# Altium PCB HedefProjem.PcbDoc (part 2 of 2)
Units mil, origin at the board's own origin, x right, y up, seen from the top; angles counter-clockwise.
Board outline 4012 x 2854.63 mil, 4 copper layers (Top Layer, GROUND, POWER, Bottom Layer), stack 53.912 mil thick; 126 components, 87 nets, 433 pads, 63 vias.
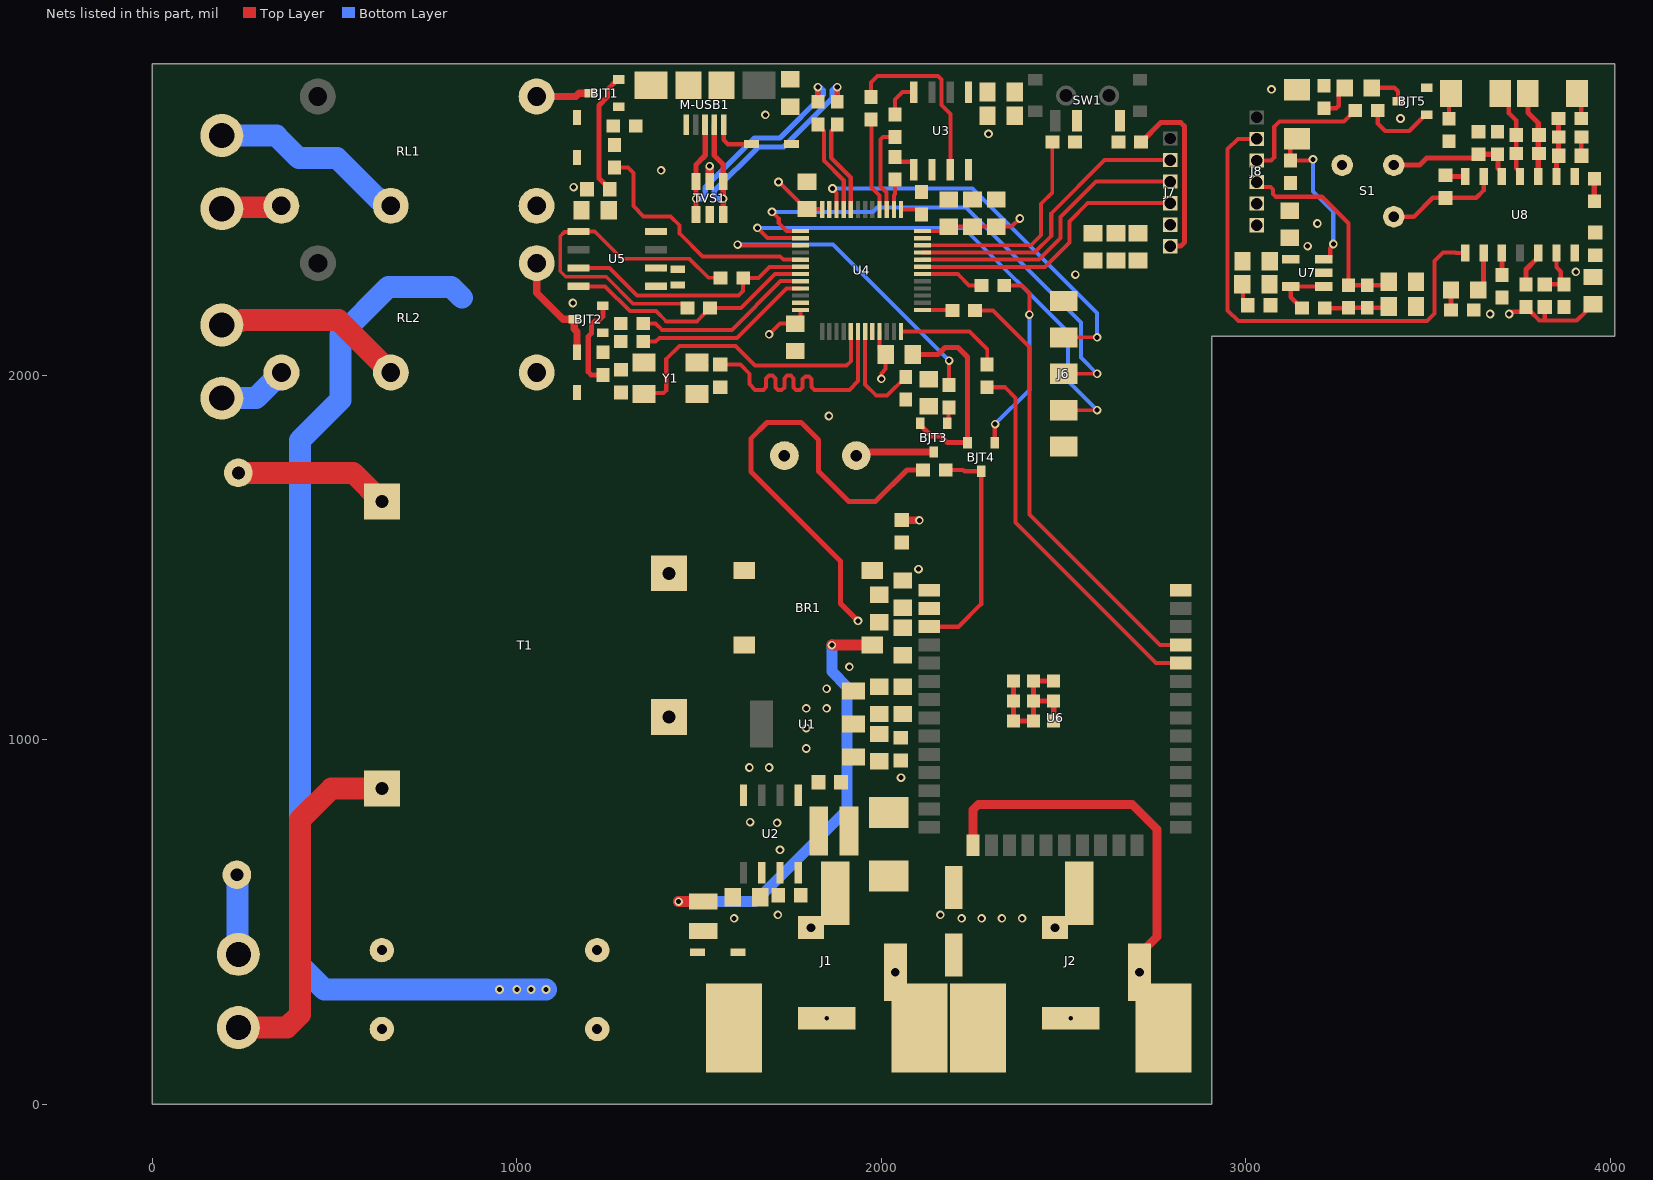
[diagram p4: the nets of this part, all layers, seen from the top]

## Via types
v1: diameter 23.62, hole 13.78, Top Layer to Bottom Layer, 62 vias
v2: diameter 23.62/23.62 (per signal layer), hole 13.78, Top Layer to Bottom Layer, 1 vias

## Nets (pads, with @x,y where several pads share a name; then routed paths per layer and width w, separated by ;. In a path a pad name is that pad's centre, name@x,y a point inside that pad or via, vN(x,y) a via of type N, cw(c..) or ccw(c..) an arc to the next point about the centre after c; other vN are vias at no path point)
3.3VDC: C5.2 C7.2 C12.2 C13.2 C14.2 C15.2 C16.2 C17.2 C18.2 C22.2 C23.2 C24.2 C25.2 C27.2 C28.2 C29.2 C30.2 C31.2 J6.1 J7.6 R8.2 R9.2 R21.1 R22.2 TVS1.5 U1.3 U3.5 U4.9 U4.24 U4.36 U4.48 U5.5 U6.2 | length 3537.1
  Top Layer w10: U5.5@1169.29,2393.9 1168.39,2393 1130.82,2393 1118.94,2381.11 1118.94,2285.08 1133.96,2270.06 1245.25,2270.06 1318.94,2196.36 1456.2,2196.36 R9.2@1467.99,2184.57 ; U5.5@1169.29,2394 1214,2394 1288.94,2319.06 1473.94,2319.06 1526,2267 R8.2@1559,2267
  Top Layer w11: v1(1692,2112) 1721.4,2141.4 C25.2@1764,2141.4 1778.54,2155.94 U4.48@1778.54,2179.04 ; v1(1718,2530) 1718.85,2530 1792.85,2456 C27.2@1796,2456 1837.19,2456 1837.59,2455.59 U4.36@1837.59,2454.63 ; U4.9@1995.07,2119.98 1995.07,2073.53 C28.2@2011.6,2057 2011.6,2016.41 2000,2004.81 v1(2000,1990) ; U4.24@2113.18,2395.57 2173.1,2395.57 C23.2@2184.82,2407.3 C22.2@2249.81,2407.3 2357.3,2407.3 v1(2380,2430)
  Top Layer w14: v1(1936,1326) 1888,1374 1888,1490 1642,1736 1642,1826 1686,1870 1780,1870 1828,1822 1828,1736 1910,1654 1984,1654 2070.16,1740.16 R21.1@2114.67,1740.16 ; R22.2@2712,2640 2713.28,2640 2766,2692.72 2821.28,2692.72 2832,2682 2832,2365 2821,2354 J7.6@2792,2354
  Top Layer w23: TVS1.5@1529,2519 TVS1.5@1529,2531 v1(1529,2573.45)
  other v1: 1794,976 1794,1032 1794,1086 1850,1086 1850,1140 2532,2276 1156,2516 2294,2662
3.3VDC_S: C34.2 C41.2 C42.2 C44.2 C45.2 C46.2 J8.1 R33.2 R34.2 R37.2 RT1.1 U7.4 U8.14
  other v1: 3670,2168 3904.94,2283.62 3169.39,2353.94 3070,2784
5VDC: BZ1.1 C2.2 C3.2 C9.1 C11.2 C26.2 D4.1 J2.1 L1.2 U1.1 U2.4 | length 48.4
  Top Layer w20: C26.2@2056,1603 2056.5,1602.5 2103.5,1602.5 v1(2104,1602)
  other v1: 2220,510 2275.33,510 2330.67,510 2386,510 2162,520 1722,698 1714,772 1640,774 2054,896 1638,924 1692,924 1682,2714
12VDC: C1.2 C4.2 D1.1 D2.1 D7.1 J1.1 RL1.4 RL2.4 U2.7 | length 2877.4
  Bottom Layer w60: 849.76,2212.44 820.2,2242 648,2242 516,2110 516,1932 405,1821 405,382.4 472.44,314.96 v1(1080.19,314.96)
  other v1: 952.76,314.96 1000,314.96 1039.37,314.96
AC_LINE_1: J3.2 R3.1 | length 226.1
  Top Layer w60: R3.1@232.28,629.92 R3.1@234.25,627.95 ; J3.2@234.25,427.17 J3.2@236.22,425.2
  Bottom Layer w60: R3.1@232.28,629.92 234.25,627.95 234.25,412.99 J3.2@236.22,411.02
AC_LINE_2: J3.1 T1.5 | length 977.8
  Top Layer w60: J3.1@236.22,211.02 369.85,211.02 405,246.17 405,780 491.14,866.14 T1.5@629.92,866.14
BUZZER: R16.1 U4.39 | length 952
  Top Layer w11: v1(1606,2358) 1607.8,2356.2 U4.39@1778.54,2356.2 ; R16.1@2186,1973 v1(2186,2040)
  Bottom Layer w11: v1(1606,2358) 1868,2358 v1(2186,2040)
GND: BJT1.2 BJT2.2 BJT3.2 BJT4.2 BR1.1 C1.1 C2.1 C3.1 C4.1 C5.1 C7.1 C8.2 C9.2 C10.2 C11.1 C12.1 C13.1 C14.1 C15.1 C16.1 C17.1 C18.1 C19.1 C20.1 C21.2 C22.1 C23.1 C24.1 C25.1 C26.1 C27.1 C28.1 C29.1 C30.1 C31.1 D3.2 J1.2 J1.3 J2.2 J2.3 J6.5 J7.5 M-USB1.5 M-USB1.6 M-USB1.7 M-USB1.8 R2.1 R5.1 R6.1 R7.1 TVS1.2 U1.2 U2.6 U3.4 U4.8 U4.23 U4.35 U4.47 U5.4 U6.1 U6.15 U6.38 U6.39 Y1.2 Y1.4 | length 2635
  Top Layer w14: R5.1@1236,2001 1204.2,2001 1196,2009.2 1196,2106.18 1204.47,2114.66 1204.47,2139.86 1212.67,2148.06 1222.74,2148.06 1236.22,2161.54 BJT2.2@1236.22,2190.94 ; C15.1@1255,2510 1255,2510.69 1225.4,2540.29 1225.4,2740 1248.44,2763.04 1248.44,2783.27 1276.28,2811.12 BJT1.2@1280.22,2811.12 ; C28.1@2086.4,2057 2155.42,2057 2174.42,2076 2210,2076 2236.22,2049.78 BJT4.2@2236.22,1814.96 2181.04,1814.96 2162,1834 2136.47,1834 2106.3,1864.17 BJT3.2@2106.3,1868.11 ; U6.39@2362.5,1161.5 U6.39@2362.5,1106.38 U6.39@2362.5,1051.27 U6.39@2417.61,1051.27 U6.39@2417.61,1106.38 ; U6.39@2472.73,1051.27 U6.39@2472.73,1106.38 U6.39@2417.61,1106.38 ; U6.39@2472.73,1161.5 U6.39@2417.61,1161.5 U6.39@2417.61,1106.38
  Top Layer w24: C29.1@2055.91,1232.28 C29.1@2059.06,1232.28 ; U6.15@2251.58,711.22 2251.58,808.24 2265.64,822.3 2688,822.3 2756,754.3 2756,459.63 2727.41,431.04 2727.41,381.94 J2.3@2707.91,362.44
  other v1: 1716,520 1912,1200 2102,1468 1856,1888 1154,2198 1396,2562
  other v2: 1596,510
GND_S: BJT5.2 C34.1 C36.1 C38.1 C39.1 C40.1 C41.1 C42.1 C43.1 C44.1 C45.1 C46.1 J8.2 R24.1 R25.1 R28.1 R32.1 R35.1 R99.1 R99.2 S1.3 U7.2 U8.7 | length 492.5
  Top Layer w12: C45.1@2990,2249.36 2990,2229.32 2992,2227.32 2992,2205 C34.1@3005,2192 ; C36.1@3547.18,2548.57 C36.1@3550.73,2545.03 ; v1(3722,2168) 3725.14,2168 3731.14,2174 3756.28,2174 R35.1@3768,2185.72 ; R35.1@3768,2187 R35.1@3768,2185.72 ; C43.1@3820,2187 3820,2150 ; C42.1@3952,2194.6 3948.85,2194.6 3932.41,2178.16 3932.41,2175.01 3907.4,2150 3820,2150 ; R35.1@3768,2185.72 3779.72,2174 3781,2174 3805,2150 3820,2150
  Top Layer w14: C36.1@3550.73,2545.03 U8.7@3601.91,2545.03
  Top Layer w15: R99.1@3956,2477 R99.2@3956,2539
  other v1: 3196,2416 3424,2704
LED_S: J8.4 R36.1 | length 383.6
  Top Layer w12: J8.4@3035.71,2594.66 J8.4@3030,2588.94 3068.94,2588.94 3077.18,2597.18 3077.18,2681.18 3092,2696 3268.63,2696 3298.36,2725.73 R36.1@3299.64,2725.73
Light_1_GND: J4.1 RL1.3 | length 166.5
  Top Layer w60: J4.1@190.94,2457.09 194.68,2460.83 350.59,2460.83 RL1.3@354.33,2464.57
Light_1_VCC: J4.2 RL1.2 | length 543.1
  Bottom Layer w60: J4.2@190.94,2657.09 340.59,2657.09 402.29,2595.39 507.4,2595.39 619.01,2483.78 624.72,2483.78 643.93,2464.57 RL1.2@654.33,2464.57
Light_2_GND: J5.1 RL2.3 | length 194.9
  Bottom Layer w60: J5.1@192.4,1935.95 190.94,1937.4 284.65,1937.4 RL2.3@354.72,2007.48
Light_2_VCC: J5.2 RL2.2 | length 529.3
  Top Layer w60: J5.2@190.94,2137.4 202.06,2148.52 243.15,2148.52 246.21,2151.57 510.63,2151.57 RL2.2@654.72,2007.48
NetBJT1_1: BJT1.1 R1.1 R2.2
NetBJT1_3: BJT1.3 D1.2 RL1.5 | length 150.9
  Top Layer w20: RL1.5@1054.33,2764.57 1161.58,2764.57 1170.73,2773.72 BJT1.3@1201.48,2773.72
NetBJT2_1: BJT2.1 R4.1 R5.2
NetBJT2_3: BJT2.3 D2.2 RL2.5 | length 308.3
  Top Layer w20: RL2.5@1054.72,2307.48 1054.72,2225.55 1126.73,2153.54 BJT2.3@1157.48,2153.54 1157.48,2126.73 1165.35,2118.86 D2.2@1165.35,2062.99
NetBJT3_1: BJT3.1 R16.2 | length 44.9
  Top Layer w11: BJT3.1@2183.55,1874.55 R16.2@2183.55,1908.55
  Top Layer w12: BJT3.1@2181.1,1868.11 2181.1,1872.1 BJT3.1@2183.55,1874.55 ; R16.2@2183.55,1908.55 R16.2@2186,1911
NetBJT3_3: BJT3.3 BZ1.2 | length 216.7
  Top Layer w20: BZ1.2@1931.1,1779.53 1940.94,1789.37 BJT3.3@2143.7,1789.37
NetBJT4_1: BJT4.1 R20.2 | length 527.7
  Top Layer w11: BJT4.1@2311.02,1814.96 2311.02,1865.02 v1(2312,1866) ; R20.2@2337,2246 2386,2246 2406,2226 v1(2406,2166)
  Bottom Layer w11: v1(2312,1866) 2406,1960 v1(2406,2166)
NetBJT5_1: BJT5.1 R36.2 | length 196.4
  Top Layer w12: R36.2@3361.65,2725.73 3361.65,2690.35 3382,2670 3448.14,2670 3492.07,2713.92 BJT5.1@3496,2713.92
NetBJT5_3: BJT5.3 D6.1 | length 103.7
  Top Layer w12: D6.1@3345.4,2788 3346.13,2788.73 3407.27,2788.73 3417.26,2778.74 BJT5.3@3417.26,2751.32
NetBR1_2: BR1.2 T1.9
NetBR1_3: BR1.3 T1.7
NetBR1_4: BR1.4 F1.1 | length 1213.7
  Top Layer w30: v1(1444,556) 1444.1,556.1 F1.1@1511.81,556.1 ; v1(1864.16,1259.84) BR1.4@1974.41,1259.84
  Bottom Layer w30: v1(1444,556) 1654,556 1906,808 1906,1145 1864.16,1186.84 v1(1864.16,1259.84)
NetC6_1: C6.1 U2.1
NetC6_2: C6.2 D3.1 L1.1 U2.8
NetC8_1: C8.1 C10.1 D7.2 F1.2
NetC32_1: C32.1 C33.1 R23.1 U8.4 | length 250.6
  Top Layer w12: C33.1@3697.32,2772.98 3721.09,2749.22 3721.09,2718.91 3741.48,2698.52 C32.1@3741.48,2658.9 3741.48,2567.27 3751.91,2556.84 U8.4@3751.91,2545.03
NetC32_2: C32.2 C35.1 R23.2 U8.3 | length 239.9
  Top Layer w14: C35.1@3773.17,2772.98 3773.17,2720.58 3801.91,2691.84 U8.3@3801.91,2545.03
NetC33_2: C33.2 R24.2 | length 74.1
  Top Layer w12: R24.2@3557.03,2703.59 3557.03,2741.58 3558.69,2743.24 3562.68,2743.24 C33.2@3562.68,2772.98
NetC35_2: C35.2 R26.1 | length 73.8
  Top Layer w12: C35.2@3907.81,2772.98 3919.72,2761.07 R26.1@3919.72,2704.08
NetC36_2: C36.2 S1.1 U8.6 | length 314.5
  Top Layer w12: S1.1@3405.45,2434.71 3460.65,2434.71 3512.5,2486.56 C36.2@3547.18,2486.56 3631.67,2486.56 3651.91,2506.8 U8.6@3651.91,2545.03
NetC37_1: C37.1 R26.2 R27.1 U8.2 | length 161.5
  Top Layer w14: U8.2@3851.91,2545.03 3851.91,2583.25 3857.71,2589.06 R26.2@3857.71,2704.08
NetC37_2: C37.2 R27.2 U8.1 | length 51.2
  Top Layer w12: C37.2@3920.22,2601.72 R27.2@3920.22,2652.9
NetC38_2: C38.2 R28.2 S1.2 U8.5 | length 362.7
  Top Layer w14: S1.2@3405.45,2576.13 3476.13,2576.13 3496,2596 3628.01,2596 C38.2@3638,2605.99 R28.2@3690,2605.99 ; R28.2@3690,2605.84 3691.19,2604.65 3691.19,2567.55 3701.91,2556.84 U8.5@3701.91,2545.03
NetC39_2: C39.2 R29.2 R30.1 R31.1 | length 177.6
  Top Layer w12: R29.2@3216,2184 3216.12,2183.89 3280.18,2183.89 R31.1@3281.18,2184.89 R30.1@3332.68,2184.89 3388.23,2184.89 C39.2@3391.67,2188.33
NetC43_2: C43.2 R33.1 U8.13 | length 146.9
  Top Layer w12: C43.2@3820,2249 R33.1@3872,2249 3864,2257 3864,2284 3851.91,2296.09 U8.13@3851.91,2335.58
NetD4_2: D4.2 M-USB1.1 | length 122.6
  Top Layer w12: M-USB1.1@1567.62,2687.1 1567.62,2645.38 1579,2634 D4.2@1643.76,2634
NetD5_1: D5.1 U8.9 | length 107.6
  Top Layer w14: D5.1@3637.4,2234 3651.91,2248.51 U8.9@3651.91,2335.58
NetD5_2: D5.2 R34.1 | length 55.7
  Top Layer w14: D5.2@3562.6,2234 3562.6,2178.71 R34.1@3562.92,2178.39
NetD6_2: D6.2 R37.1 | length 98.4
  Top Layer w12: R37.1@3214.51,2732.13 3247.39,2732.13 3254.42,2739.16 3254.42,2771.82 D6.2@3270.6,2788
NetJ6_2: J6.2 U4.34 | length 1087.6
  Top Layer w10: J6.2@2500,2104 v1(2592,2104)
  Top Layer w11: v1(1866,2512) 1866,2510.21 1876.96,2499.25 U4.34@1876.96,2454.63
  Bottom Layer w11: v1(1866,2512) 2250,2512 2592,2170 v1(2592,2104)
NetJ6_3: J6.3 U4.37 | length 1341.7
  Top Layer w10: J6.3@2500,2004 v1(2592,2004)
  Top Layer w11: v1(1700,2448) 1718.56,2429.44 1718.56,2416.93 1739.91,2395.57 U4.37@1778.54,2395.57
  Bottom Layer w11: v1(1700,2448) 1976.71,2448 1988.71,2460 2232,2460 2548,2144 2548,2048 v1(2592,2004)
NetJ6_4: J6.4 U4.38 | length 1439.8
  Top Layer w10: J6.4@2500,1904 v1(2592,1904)
  Top Layer w11: v1(1660,2404) 1688.11,2375.89 U4.38@1778.54,2375.89
  Bottom Layer w11: v1(1660,2404) 2226,2404 2512,2118 2512,1984 v1(2592,1904)
NetJ7_2: J7.2 U4.21 | length 820.2
  Top Layer w11: U4.21@2113.18,2336.52 2420.52,2336.52 2466,2382 2466,2444 2612.22,2590.22 J7.2@2792,2590.22
NetJ7_3: J7.3 U4.20 | length 801.6
  Top Layer w11: U4.20@2113.18,2316.83 2432.83,2316.83 2492,2376 2492,2434 2589.17,2531.17 J7.3@2792,2531.17
NetJ7_4: J7.4 U4.19 | length 785.3
  Top Layer w11: U4.19@2113.18,2297.15 2449.15,2297.15 2516,2364 2516,2422 2566.11,2472.11 J7.4@2792,2472.11
NetJ8_5: J8.5 U8.8 | length 1360.1
  Top Layer w11: J8.5@3030,2648 2978,2648 2950,2620 2950,2178 2979.76,2148.24 3496.24,2148.24 3517.46,2169.46 3517.46,2313.46 3540,2336 3575.07,2336 3575.49,2335.58 U8.8@3601.91,2335.58
NetR1_2: R1.2 U4.41 | length 680.4
  Top Layer w11: R1.2@1268.41,2569.48 1304.52,2569.48 1320,2554 1320,2464 1348,2436 1422,2436 1447,2411 1447,2389 1510,2326 1722,2326 1731.17,2316.83 U4.41@1778.54,2316.83
NetR3_2: R3.2 T1.1 | length 431.9
  Top Layer w60: R3.2@236.22,1732.28 551.18,1732.28 T1.1@629.92,1653.54 T1.1@625.98,1649.61
NetR4_2: R4.2 U4.45 | length 492
  Top Layer w11: R4.2@1347,2092 1381,2092 1391,2102 1604,2102 1740.09,2238.09 U4.45@1778.54,2238.09
NetR7_2: R7.2 U4.44 | length 494.4
  Top Layer w11: R7.2@1347,2142 1381,2142 1399,2124 1590,2124 1723.78,2257.78 U4.44@1778.54,2257.78
NetR10_2: R10.2 U3.1 | length 76.6
  Top Layer w11: R10.2@2038,2599 2038,2597.72 2050.22,2585.51 2084.66,2585.51 2089,2581.17 U3.1@2089,2563.7
NetR11_2: R11.2 U3.3 | length 500.8
  Top Layer w11: R11.2@1972,2763 1972,2803 1989.33,2820.33 2154.85,2820.33 2164.66,2810.52 2164.66,2740.77 2189,2716.42 U3.3@2189,2563.7
NetR12_2: R12.2 U3.2
NetR13_2: R13.2 U3.8 | length 100.4
  Top Layer w11: R13.2@2038,2715 2038,2756 2058.3,2776.3 U3.8@2089,2776.3
NetR17_2: R17.2 SW1.2
NetR18_1: R18.1 U6.34 | length 1044.7
  Top Layer w11: R18.1@2290,1967 2339,1967 2368,1938 2368,1596 2753.76,1210.24 U6.34@2820.87,1210.24
NetR19_1: R19.1 U6.35 | length 1213.5
  Top Layer w11: R19.1@2257,2178 2306,2178 2406,2078 2406,1618 2763.76,1260.24 U6.35@2820.87,1260.24
NetR22_1: R22.1 SW1.1
NetR25_2: R25.2 RT1.2 U7.3 | length 452.9
  Top Layer w12: RT1.2@3139.7,2648.57 3139.7,2629.3 3126.65,2629.3 3122,2624.65 R25.2@3122,2589 3177.86,2589 3180.86,2592 v1(3184,2592) ; U7.3@3213.55,2318 3225.36,2318 3231.17,2323.81 3231.17,2348.03 3240,2356.86 v1(3240,2360)
  Bottom Layer w12: v1(3184,2592) 3184,2504 3240,2448 v1(3240,2360)
NetR29_1: R29.1 U7.1 U7.5 | length 163.3
  Top Layer w12: R29.1@3154,2184 3152.72,2184 3123,2213.72 U7.5@3123,2243.2 3174.93,2243.2 U7.1@3213.55,2243.2
NetR32_2: R32.2 U8.10 | length 60.6
  Top Layer w14: U8.10@3701.91,2335.58 3701.91,2275.1 R32.2@3702,2275
NetR35_2: R35.2 U8.12 | length 100.7
  Top Layer w14: R35.2@3768,2249 3768,2290 3797.35,2319.35 3797.49,2319.35 3801.91,2323.77 U8.12@3801.91,2335.58
NetU5_1: U5.1 X1.1
NetU5_2: U5.2 X1.2 | length 22.2
  Top Layer w14.7: U5.2@1381.89,2293.9 1401.07,2293.9 U5.2@1403.19,2291.78
NRST: C21.1 R6.2 U4.7 | length 290.8
  Top Layer w11: U4.7@1955.7,2119.98 1955.7,1974.3 1986,1944 2015.36,1944 R6.2@2066.93,1995.57
OSC_N: C19.2 U4.5 Y1.1 | length 780.2
  Top Layer w11: Y1.1@1349.17,1950.69 1402.69,1950.69 1410,1958 1410,2044 1446,2080 1600,2080 1654,2026 1904,2026 1916.33,2038.33 U4.5@1916.33,2119.98
OSC_P: C20.2 U4.6 Y1.3 | length 780.2
  Top Layer w11: Y1.3@1494.83,2035.31 1516.87,2035.31 1516.87,2030.96 Y1.3@1520.83,2027 ; C20.2@1558,2029 1613,2029 1638,2004 1638,1976 1654,1960 1671,1960 1676.5,1960 1684,1967.5 1684,1991.18 1691.5,1998.68 1701.5,1998.68 1709,1991.18 1709,1966.5 1716.5,1959 1726.5,1959 1734,1966.5 1734,1991.18 1741.5,1998.68 1751.5,1998.68 1759,1991.18 1759,1966.5 1766.5,1959 1776.5,1959 1784,1966.5 1784,1989.16 1791.5,1996.66 1801.5,1996.66 1809,1989.16 1809,1967.5 1816.5,1960 1906.75,1960 1912,1960 1936.02,1984.02 U4.6@1936.02,2119.98
"RTC_ SDA": R9.1 U4.43 U5.8 | length 704.6
  Top Layer w11: U5.8@1169.29,2243.9 1242.1,2243.9 1310,2176 1382,2176 1410,2148 1494,2148 1516.5,2170.5 1516.5,2171.78 R9.1@1528.72,2184 ; R9.1@1530,2184 R9.1@1528.72,2184 ; U4.43@1778.54,2277.46 1708.9,2277.46 1615.44,2184 R9.1@1528.72,2184
RTC_SCL: R8.1 U4.42 U5.7 | length 694.3
  Top Layer w11: U5.7@1169.29,2293.9 1254.1,2293.9 1329.7,2218.3 1608.3,2218.3 1621,2231 R8.1@1621,2267 1663,2267 1693.15,2297.15 U4.42@1778.54,2297.15
"SENSOR ON/OFF": R17.1 U4.22 | length 604.6
  Top Layer w10: U4.22@2113.18,2356.2 2410.2,2356.2 2438,2384 2438,2470 2469.18,2501.18 2469.18,2606.61 2469.14,2606.65 R17.1@2469.14,2639.37
TEMP_ADC: C40.2 J8.3 R30.2 R31.2 | length 589.4
  Top Layer w12: J8.3@3030,2529.89 3043.69,2516.2 3067.24,2516.2 3074.27,2509.18 3074.27,2497.03 3081.3,2490 3208,2490 3281.18,2416.82 R31.2@3281.18,2246.9 R30.2@3332.68,2246.9 3382.42,2246.9 C40.2@3391.67,2256.15
TEMP_IN_CS: R12.1 U4.25 | length 62.3
  Top Layer w11: U4.25@2054.13,2454.63 2097.65,2454.63 2110,2442.28 R12.1@2110,2441
TEMP_IN_OT: R13.1 U4.27 | length 241.5
  Top Layer w11: U4.27@2014.76,2454.63 2014.76,2501.24 1998,2518 1998,2646.55 2004.44,2653 R13.1@2038,2653
TEMP_IN_SCLK: R10.1 U4.26 | length 83.8
  Top Layer w11: U4.26@2034.44,2454.63 2034.44,2493.25 2038,2496.81 R10.1@2038,2537
TEMP_IN_SIO: R11.1 U4.28 | length 255.9
  Top Layer w11: R11.1@1972,2701 1973,2700 1973,2515.33 1995.07,2493.25 U4.28@1995.07,2454.63
USB1_N: R14.1 U4.32 | length 262.7
  Top Layer w11.67: R14.1@1879,2688 1879,2686.72 1862.27,2669.99 1862.27,2596.63 1916.26,2542.64 1916.26,2454.7 U4.32@1916.33,2454.63
USB1_P: R15.1 U4.33 | length 262.7
  Top Layer w11.67: R15.1@1826,2688 1826,2686.72 1842.73,2669.99 1842.73,2588.54 1896.72,2534.55 1896.72,2472.56 1896.72,2454.7 U4.33@1896.65,2454.63
USB_N: M-USB1.2 R14.2 TVS1.3 TVS1.4 | length 806.5
  Top Layer w14.7: M-USB1.2@1541.8,2687.1 1541.43,2686.73 1541.43,2652.36 1541.35,2652.28 1541.35,2639.88 1541.57,2639.66 1541.57,2606.42 1541.57,2602.56 1566.4,2577.73 TVS1.4@1566.4,2531 1566.4,2484 TVS1.3@1566.4,2440.45 ; R14.2@1879,2750 v1(1879,2790)
  Bottom Layer w14.7: v1(1566,2484) 1549.96,2484 1541.35,2492.61 1541.35,2504.78 1662.72,2626.15 1732.01,2626.15 1864.85,2758.99 1864.85,2781.39 1873.46,2790 v1(1879,2790)
USB_P: M-USB1.3 R15.2 TVS1.1 TVS1.6 | length 806.7
  Top Layer w14.7: TVS1.1@1491.6,2440.45 1491.6,2484 TVS1.6@1491.6,2531 1491.6,2577.28 1512.6,2598.28 1516.87,2602.56 1516.87,2629.43 1516.65,2629.65 1516.65,2652.28 1516.57,2652.36 1516.57,2686.73 M-USB1.3@1516.2,2687.1 ; R15.2@1826,2750 v1(1826,2790)
  Bottom Layer w14.7: v1(1492,2484) 1508.04,2484 1516.65,2492.61 1516.65,2515.01 1652.49,2650.85 1721.78,2650.85 1840.15,2769.22 1840.15,2781.39 1831.54,2790 v1(1826,2790)
WIFI_EN: R20.1 U4.18 | length 174.8
  Top Layer w11: U4.18@2113.18,2277.46 2209.54,2277.46 2241,2246 R20.1@2275,2246
WIFI_OUT: BJT4.3 R21.2 U6.3 | length 630
  Top Layer w12: U6.3@2131.89,1310.24 2211.72,1310.24 2273.62,1372.14 BJT4.3@2273.62,1736.22 2228.78,1736.22 2224.84,1740.16 R21.2@2176.67,1740.16
WIFI_RXD: R18.2 U4.12 | length 298.7
  Top Layer w10: U4.12@2054.13,2119.98 2242.02,2119.98 2290,2072 R18.2@2290,2029
WIFI_TXD: R19.2 U4.13 | length 82.2
  Top Layer w11: U4.13@2113.18,2179.04 2193.96,2179.04 R19.2@2195,2178
pads on no net: J7.1 J8.6 M-USB1.4 M-USB1.9 RL1.1 RL2.1 SW1.3 SW1.4 SW1.5 SW1.6 SW1.7 SW1.a U1.4 U2.2 U2.3 U2.5 U3.6 U3.7 U4.1 U4.2 U4.3 U4.4 U4.10 U4.11 U4.14 U4.15 U4.16 U4.17 U4.29 U4.30 U4.31 U4.40 U4.46 U5.3 U5.6 U6.4 U6.5 U6.6 U6.7 U6.8 U6.9 U6.10 U6.11 U6.12 U6.13 U6.14 U6.16 U6.17 U6.18 U6.19 U6.20 U6.21 U6.22 U6.23 U6.24 U6.25 U6.26 U6.27 U6.28 U6.29 U6.30 U6.31 U6.32 U6.33 U6.36 U6.37 U8.11

## Polygon pours and split planes (outlines as drawn)
GND_S on Top Layer "GND_S_L01_P017" (solid, pour order 17): 2978,2820 3948,2820 3982,2786 3982,2170 3952,2140 2976.28,2140 2944,2172.28 2944,2786
GND on Top Layer "GND_L01_P013" (solid, pour order 13): 574.8,408.8 574.8,97.2 636,36 2822,36 2884,98 2884,2772 2822,2834 1150,2834 1116,2800 1116,2658 1201.05,2658 1217.53,2641.53 1217.53,2547.41 1208.11,2538 1112,2538 1112,2104 1154,2062 1154,2038.18 1154,2024 1197.25,1975.75 1197.25,1922.75 1201.05,1918.95 1569.05,1918.95 1584,1904 1584,1548 1676,1548 1702,1522 1702,1380 1686,1364 1584,1364 1584,1336 1680,1336 1710,1306 1710,1216 1681.54,1187.54 1613.52,1188.38 1584,1159.22 1584,494 1536,446 612,446
5VDC on Top Layer "5VDC_L01_P004" (solid, pour order 4): 1802,1812 1768,1846 1702,1846 1668,1812 1668,1748 1708,1708 1724,1708 1850,1582 2114,1582 2126,1594 2126,1618 2114,1630 1898,1630 1802,1726
GND on Top Layer "GND_L01_P010" (solid, pour order 10): 2306,1188 2340,1222 2496,1222 2530,1188 2530,1012 2504,986 2328,986 2306,1008
12VDC on Top Layer "12VDC_L01_P008" (solid, pour order 8): 1186,1984.52 1186,1942 1168.44,1924.44 1013.56,1924.44 970,1968 970,2042.89 1017.11,2090 1098,2090 1136,2052 1136,2001.6 1168.92,2001.6
12VDC on Top Layer "12VDC_L01_P007" (solid, pour order 7): 1188,2642 1122,2642 978,2498 978,2432 1020,2390 1086,2390 1128,2432 1128,2542 1138,2552 1191.14,2552 1200,2562.33 1200,2630
NetBR1_3 on Top Layer "NETBR1_3_L01_P002" (solid, pour order 2): 1670,1314 1684,1300 1684,1222 1672,1210 1601.73,1210 1496,1104.27 1496,994 1486.72,984.72 1355.28,984.72 1340,1000 1340,1132 1352,1144 1410,1144 1580,1314
NetBR1_2 on Top Layer "NETBR1_2_L01_P001" (solid, pour order 1): 1342,1520 1342,1390 1352,1380 1677.24,1380 1686,1388.76 1686,1516.76 1670.76,1532 1354,1532
GND_S on Bottom Layer "GND_S_L04_P016" (solid, pour order 16): 2978,2820 3948,2820 3982,2786 3982,2170 3952,2140 2976.28,2140 2944,2172.28 2944,2786
no net on Bottom Layer "NONET_L04_P015" (solid, pour order 15): 1116,2800 1150,2834 2822,2834 2884,2772 2884,102 2810,28 528,28 478,78 478,366 478,484 478,520 540,582 1590,582 1602,594 1602,1898 1584,1916 1580,1916 1152,1916 1126,1942 1150,1966 1154,1970 1154,2056 1112,2098 1112,2110 1112,2398 1144,2430 1144,2514 1116,2542
3.3VDC on POWER (split plane): 1644.15,630.15 1646.45,628.39 1649.13,627.28 1652,626.91 1783.4,626.91 1906.15,504.15 1908.45,502.39 1911.13,501.28 1914,500.91 2061.4,500.91 2112.15,450.15 2164.15,398.15 2166.45,396.39 2169.13,395.28 2172,394.91 2510,394.91 2512.87,395.28 2514.76,396.07 2515.55,396.39 2517.85,398.15 2598.6,478.91 2746,478.91 2748.87,479.28 2750.76,480.07 2751.55,480.39 2753.85,482.15 2885.9,614.21 2885.9,20.1 482,20.1 482,522 538,578 1572,578 1598,604 1598,676.31
3.3VDC on POWER (split plane): 2894.87,2123.32 2894.83,2123.31 2891.79,2120.81 2889.29,2117.76 2887.43,2114.29 2886.29,2110.52 2885.9,2106.6 2885.9,1700.3 2885.9,1513.79 2339.09,2060.6 2339.09,2342 2338.76,2344.54 2338.72,2344.87 2337.61,2347.55 2335.85,2349.85 1991.85,2693.85 1989.55,2695.61 1988.76,2695.93 1986.87,2696.72 1984,2697.09 1788.6,2697.09 1721.85,2763.85 1707.85,2777.85 1705.55,2779.61 1704.76,2779.93 1702.87,2780.72 1700,2781.09 1652,2781.09 1649.13,2780.72 1646.45,2779.61 1644.15,2777.85 1616.15,2749.85 1614.39,2747.55 1614.07,2746.76 1613.28,2744.87 1612.91,2742 1612.91,2698 1613.28,2695.13 1614.07,2693.24 1614.39,2692.45 1616.15,2690.15 1702.15,2604.15 1704.45,2602.39 1707.13,2601.28 1710,2600.91 1895.4,2600.91 2236.91,2259.4 2236.91,2020 2237.28,2017.13 2238.07,2015.24 2238.39,2014.45 2240.15,2012.15 2506.91,1745.4 2506.91,1688.6 2493.4,1675.09 2072,1675.09 2069.13,1674.72 2067.56,1674.07 2066.45,1673.61 2064.15,1671.85 2032.15,1639.85 2030.39,1637.55 2030.07,1636.76 2029.28,1634.87 2028.91,1632 2028.91,1580 2029.28,1577.13 2030.07,1575.24 2030.39,1574.45 2032.15,1572.15 2064.15,1540.15 2066.45,1538.39 2067.56,1537.93 2069.13,1537.28 2072,1536.91 2147.4,1536.91 2178.91,1505.4 2178.91,1164.6 1919.4,905.09 1800.6,905.09 1697.85,1007.85 1695.55,1009.61 1694.76,1009.93 1692.87,1010.72 1690,1011.09 1626,1011.09 1623.13,1010.72 1620.45,1009.61 1618.15,1007.85 1598,987.69 1598,1892 1574,1916 1152,1916 1112,1956 1110,1956 1110,2834.23 2893.7,2834.23 2894.87,2834.35
5VDC on POWER (split plane): 1706.15,2748.15 1776.15,2678.16 1776.15,2678.15 1777.45,2677.16 1778.45,2676.39 1781.13,2675.28 1784,2674.91 1979.4,2674.91 2316.91,2337.4 2316.91,2056 2317.28,2053.13 2318.07,2051.24 2318.39,2050.45 2320.15,2048.15 2885.9,1482.41 2885.9,645.59 2741.4,501.09 2594,501.09 2591.13,500.72 2588.45,499.61 2586.15,497.85 2505.4,417.09 2176.6,417.09 2127.85,465.85 2073.85,519.85 2071.55,521.61 2070.76,521.93 2068.87,522.72 2066,523.09 1918.6,523.09 1795.85,645.85 1793.55,647.61 1792.76,647.93 1790.87,648.72 1788,649.09 1656.6,649.09 1598,707.69 1598,956.31 1630.6,988.91 1685.4,988.91 1788.15,886.15 1790.45,884.39 1791.56,883.93 1793.13,883.28 1796,882.91 1924,882.91 1926.87,883.28 1928.76,884.07 1929.55,884.39 1931.85,886.15 2197.85,1152.15 2199.61,1154.45 2199.93,1155.24 2200.72,1157.13 2201.09,1160 2201.09,1510 2200.72,1512.87 2199.61,1515.55 2197.85,1517.85 2159.85,1555.85 2157.55,1557.61 2156.76,1557.93 2154.87,1558.72 2152,1559.09 2076.6,1559.09 2051.09,1584.6 2051.09,1627.4 2076.6,1652.91 2498,1652.91 2500.87,1653.28 2502.76,1654.07 2503.55,1654.39 2505.85,1656.15 2525.85,1676.15 2527.61,1678.45 2528.72,1681.13 2529.09,1684 2529.09,1750 2528.76,1752.54 2528.72,1752.87 2527.61,1755.55 2525.85,1757.85 2259.09,2024.6 2259.09,2264 2258.72,2266.87 2257.61,2269.55 2255.85,2271.85 1907.85,2619.85 1905.55,2621.61 1904.76,2621.93 1902.87,2622.72 1900,2623.09 1714.6,2623.09 1635.09,2702.6 1635.09,2737.4 1656.6,2758.91 1695.4,2758.91
3.3VDC_S on POWER (split plane): 3991.9,2126.7 2931.04,2126.7 2931.04,2834.53 3991.9,2834.53
GND on GROUND (split plane): 2888.91,2117.04 2887.43,2114.29 2886.29,2110.52 2885.9,2106.6 2885.9,1700.3 2885.9,20.1 482,20.1 482,522 538,578 1572,578 1598,604 1598,1892 1574,1916 1152,1916 1112,1956 1110,1956 1110,2834.23 2888.91,2834.23
GND_S on GROUND (split plane): 3991.9,2126.7 2911.09,2126.7 2911.09,2834.53 3991.9,2834.53

## Keep-outs
Keep-Out Layer:
  lines w10: 2893.7,2854.33 0,2854.33 0,0 2906,0 2906,1700.3 2906,2106.6 4012,2106.6 4012,2854.63 2893.7,2854.63

## Other copper
Top Layer:
  region net 12VDC: 1712,665.25 1732,665.25 1732,598 1736,594 1736,554 1702,554 1690.31,542.31 1677.35,529.35 1677.35,514.61 1701.96,490 1730,490 1756,516 1812,516 1830.71,534.71 1830.71,667.32 1919.29,667.32 1919.29,456.69 1816.93,354.33 1460.33,354.33 1388.71,282.71 599.18,282.71 574.8,307.09 574.8,346.46 598.43,370.08 1322.83,370.08 1338.58,385.83 1450.33,385.83 1536.09,385.83 1574.8,424.54 1574.8,478.8 1576,480 1630.26,480 1661.42,511.16 1661.42,527.56 1646.67,542.31 1644.88,544.1 1644.88,593.37 1699.37,593.37 1712,606
  region net GND: 606.3,259.84 574.8,228.35 574.8,133.86 672.66,36 2822,36 2860,74 2860,378 2770,468 2632,468 2558,394 2373.96,394 2293.6,470 2128,470 2096.9,501.1 2096.9,657.79 2078,673.9 1964.1,673.9 1948,657.79 1948,444.06 1835.94,332 1472,332 1399.84,259.84
  region net NetC8_1: 1474.65,498.98 1471.94,496.27 614.11,496 574.8,456.69 574.8,409.45 598.43,385.83 1307.09,385.83 1322.83,401.57 1480.31,401.57 1519.68,401.57 1553.5,435.39 1553.5,496 1550.52,498.98
  region net 3.3VDC: 1210,2534 1218,2526 1218,2492 1202,2476 1202,2413.52 1232.59,2382 1202,2382 1198,2378 1142,2378 1130.82,2389.18 1130.82,2396.82 1152,2418 1152,2494 1140,2506 1140,2526 1148,2534
  region net GND: 1592,604 1592,676 1598,682 1652,682 1658,676 1658,608 1662,604 1682,604 1684,606 1684,684 1682,686 1664,704 1660,704 1632,704 1592,704 1566,678 1566,536 1566,506 1582,490 1610,490 1620,500 1620,536 1620,590 1614,596 1600,596
  region net GND: 2152,1846 2162,1834 2149.24,1834 2138,1818 2102,1818 2086,1834 2086,1848 2068,1866 2068,1873.35 2034,1907.35 2034,1946 2040.46,1952.46 2093.54,1952.46 2104,1942 2152,1942 2158,1938 2158,1892 2152,1886
  region net 3.3VDC_S: 3187.91,2362.09 3150,2400 3090,2400 3056,2434 3008,2434 3004,2430 3004,2392 3010,2386 3038,2386 3040,2384 3040,2222 3046,2216 3046,2174 3050,2170 3084,2170 3088,2174 3088,2294 3096,2302 3142,2302 3187.91,2347.91
  region net GND: 1264,2126 1268,2122 1304,2122 1308,2126 1308,2158 1304,2162 1294,2162 1292,2164 1230,2226 1131.71,2226 1118,2212.29 1118,2189.91 1133.2,2174.48 1182.47,2173.71 1201.63,2154.25 1201.63,2140 1258,2140 1264,2134
  region net 3.3VDC_S: 3608,2200 3602,2194 3602,2160 3608,2154 3680,2154 3684,2158 3684,2174 3666,2192 3654,2192 3646,2200
  region net 5VDC: 1626,958 1640,958 1700,958 1726,932 1726,910 1700,884 1640,884 1640,816 1654,802 1726,802 1746,782 1746,684.05 1735.95,674 1707.98,674 1663.98,718 1622,718 1608,732 1608,940
  pour cut-out: 574.8,432.28 574.8,259.84 1399.84,259.84 1472,332 1870,332 1948,410 1948,657.79 1964.1,673.9 2080.79,673.9 2096.9,657.79 2096.9,501.1 2128,470 2297.96,470 2373.96,394 2558,394 2632,468 2629.41,470.59 2629.41,494 2624,494 2544,414 2386,414 2310,490 2140,490 2122,508 2122,672 2094,700 1956,700 1935.97,679.97 1822.03,679.97 1820,682 1812,674 1812,592 1818,586 1818,540 1806,528 1748,528 1710,490 637.8,496.06 622.05,496.06
  region net GND: 2030,1256 2030,1236 2016,1222 1808,1222 1718,1132 1718,964 1756,926 1860,926 1870,936 1870,984 1882,996 1964,996 1974,986 2084,986 2084,1093 1917,1093 1846,1022 1846,972 1846,960 1830,944 1768,944 1750,962 1750,1122 1804,1176 1948,1176 1958,1186 2080,1186 2090,1196 2090,1254 2084,1260 2034,1260
  region net 3.3VDC_S: 3886,2360 3888,2362 3920,2362 3932,2350 3976,2350 3980,2346 3980,2248 3976,2244 3936,2244 3916,2224 3916,2190 3892,2166 3854,2166 3850,2170 3850,2210 3852,2212 3890,2212 3900,2222 3900,2278.55 3886,2295.09 3886,2324 3886,2332
  region net 3.3VDC: 2230,2810 2224,2804 2224,2744 2232,2736 2254,2736 2262,2728 2262,2654 2278,2638 2308,2638 2320,2650 2320,2804 2314,2810
  region net 3.3VDC: 2772,2376 2768,2372 2768,2358 2750,2340 2554,2340 2456,2242 2456,2178 2462,2172 2536,2172 2546,2182 2546,2252 2580,2286 2774,2286 2826.22,2338.22 2826.22,2376 2814,2376
  region net 3.3VDC_S: 3230,2818 3234,2814 3234,2774 3232,2772 3190,2772 3180,2762 3180,2754 3174,2748 3074,2748 3052,2770 3052,2794 3076,2818
  region net NetR12_2: 2132,2596 2128,2592 2128,2536 2114,2522 2092,2522 2088,2518 2088,2488 2094,2482 2128,2482 2132,2486 2132,2514 2150,2532 2150,2592 2146,2596
  region net NetC37_2: 3902,2622 3900,2620 3900,2582 3892,2574 3890,2572 3890,2522 3892,2520 3912,2520 3914,2522 3914,2576 3918,2580 3938,2580 3942,2584 3942,2618.78 3938.78,2622
  region net NetC6_2: 2076,754 2080,758 2080,846 2068,858 1942,858 1914,886 1914,904 1908,910 1872,910 1866,904 1866,856 1858,848 1808,848 1802,842 1802,812 1758,768 1758,610 1762,606 1798,606 1812,620 1812,674 1820,682 1854,682 1862,690 1862,816 1876,830 1950,830 1962,818 1962,758 1966,754 2024,754
  region net NRST: 2050,2017 2047,2014 2047,1977 2050,1974 2093,1974 2101,1966 2154,1966 2158,1970 2158,2012 2153,2017
  region net NetU5_2: 1460,2305 1464,2300 1464,2281 1463,2280 1421,2280 1411,2283 1353,2283 1351,2286 1351,2303 1353,2305 1404,2305 1418,2305
  region net NetU5_1: 1460,2232.8 1464,2237.8 1464,2256.8 1463,2257.8 1421,2257.8 1411,2254.8 1353,2254.8 1351,2251.8 1351,2234.8 1353,2232.8 1404,2232.8 1418,2232.8
  region net NetR22_1: 2640.67,2732 2638,2728 2638,2668 2628,2658 2628,2624 2632,2620 2666,2620 2670,2624 2670,2728 2667.33,2732
  region net NetR17_2: 2522.81,2729.37 2520.15,2725.37 2520.15,2665.37 2510.15,2655.37 2510.15,2621.37 2514.15,2617.37 2548.15,2617.37 2552.15,2621.37 2552.15,2725.37 2549.48,2729.37
  region net OSC_P: 1580,2012 1576,2008 1464,2008 1460,2012 1460,2056 1464,2060 1530,2060 1538,2052 1576,2052 1580,2048
  region net OSC_N: 1264,1972 1268,1976 1380,1976 1384,1972 1384,1924 1380,1920 1318,1920 1306,1932 1268,1932 1264,1936
  region net NetC6_1: 1758,816 1762,812 1784,812 1788,816 1788,850 1796,858 1848,858 1852,862 1852,906 1848,910 1844,910 1768,910 1758,900
  region net NetBJT2_1: 1250,2130 1254,2126 1254,2114 1258,2110 1304,2110 1306,2108 1306,2074 1302,2070 1260,2070 1256,2066 1256,2046 1252,2042 1216,2042 1214,2044 1214,2082 1220,2088 1220,2128 1222,2130
  region net NetBJT1_3: 1150,2702 1150,2739.83 1138,2754 1150,2774 1164,2788 1216,2788 1220,2784 1220,2764 1216,2760 1186,2760 1180,2752 1180,2688 1174,2682 1156,2682 1150,2688
  region net NetBJT1_1: 1260,2754 1240,2734 1240,2614 1246,2608 1290,2608 1296,2614 1296,2654 1288,2662 1288,2710 1302,2724 1302,2750 1298,2754
  region net GND: 1758,596 1754,592 1754,554 1744,544 1708,544 1692,528 1692,516 1702,506 1726,506 1748,528 1806,528 1818,540 1818,586 1808,596
  region net GND: 2022,1378 2022,1402 2032,1412 2082,1412 2104,1390 2161.99,1390 2168,1395.99 2168,1432 2162,1438 2077,1523 2077,1558 2072,1563 2041,1563 2036,1558 2036,1510 1938,1510 1912,1484 1912,1388 1926,1374 2018,1374
  region net GND: 1380,2062 1384,2058 1384,2010 1380,2006 1318,2006 1316,2004 1306,1994 1266,1994 1264,1992 1246,1974 1200,1974 1200,1990 1184,2006 1184,2019.5 1200,2035.5 1213.5,2022 1260,2022 1264,2026 1264,2032 1274,2042 1274,2048 1280.32,2054.32 1286.32,2054.32 1309.68,2054.32 1317.36,2062
  region net 12VDC: 1644.88,593.37 1699.37,593.37 1712,606 1712,665.25 1732,665.25 1732,606 1732,598 1736,594 1736,554 1702,554 1690.87,542.87 1681.75,542.87
  region net 5VDC: 2122,682 2122,626 2144,604 2152,612 2152,656
  region net 5VDC: 2386,414 2544,414 2624,494 2624,638 2596,666 2172,666 2107,731 1950,731 1942,739 1942,814 1935.97,818.01 1885.99,818.01 1881.98,814 1881.98,685.98 1888,679.97 1935.97,679.97 1958,700 2094,700 2122,672 2122,630 2122,508 2140,490 2302.33,490
  region net 5VDC: 1728,2672 1712,2690 1672,2690 1658,2704 1658,2726 1670,2738 1712,2738 1722,2748 1722,2758 1726,2762 1774,2762 1778,2758 1778,2666 1778,2622 1774,2618 1734,2618 1728,2624 1728,2645
  region net 5VDC: 1892,980 1954,980 1970,964 2074,964 2078,960 2078,926 2078,888 2066,876 2044,876 2032,888 2032,902 2020,914 1964,914 1952,926 1892,926 1886,932 1886,974
  region net 3.3VDC: 2084,1172 2090,1166 2090,1124 2084,1118 1968,1118 1956,1106 1902,1106 1828.8,1032.8 1828.8,974.8 1812,958 1778,958 1768,968 1768,1048 1768,1114 1814,1160 1888,1160 1890,1162 1958,1162 1968,1172
  region net 3.3VDC: 2032,1386 2036,1390 2082,1390 2094,1378 2162,1378 2166,1374 2166,1346 2162,1342 2090,1342 2086,1338 2086,1284 2084,1282 2032,1282 2028,1286 2028,1296 2024,1300 1930,1300 1914,1316 1914,1338 1924,1348 2026,1348 2032,1354
  region net 3.3VDC: 1172,2436 1200,2408 1200,2380
Bottom Layer:
  region net 12VDC: 978,2388 1070,2388 1124,2442 1124,2496 1072,2548 996,2548 694,2246 694,2236 1008,1922 1084,1922 1138,1976 1138,2044 1092,2090 1008,2090 938,2160 938,2348
GROUND (plane layer: these items are gaps in the copper):
  rectangle: 2996,2440 3064,2504
  rectangle: 2758,2374 2826,2446
  region: 1110,2854 1110,1956 1112,1956 1152,1916 1574,1916 1598,1892 1598,604 1572,578 538,578 482,522 482,2 4,2 4,2852
  lines w10: 2900,2860 2904,2108
  lines w22: 2900,2112 2900,2860
POWER (plane layer: these items are gaps in the copper):
  region: 1110,2854 1110,1956 1112,1956 1152,1916 1574,1916 1598,1892 1598,604 1572,578 538,578 482,522 482,0 0,0 0,2851.99
  lines w7.87: 960.63,1086.61 960.63,889.76 1070.87,1000
  lines w22: 1558,732 1558,932 1626,1000 1690,1000 1796,894 1924,894 2190,1160 2190,1510 2152,1548 2072,1548 2040,1580 2040,1632 2072,1664 2498,1664 2518,1684 2518,1750 2248,2020 2248,2264 1900,2612 1710,2612 1624,2698 1624,2742 1652,2770 1700,2770 1714,2756 1784,2686 1984,2686 2328,2342 2328,2056 2905.51,1478.49 2905.51,649.51 2746,490 2594,490 2510,406 2172,406 2120,458 2066,512 1914,512 1788,638 1652,638 1558,732
  lines w36: 2912.95,2101.88 2912.95,2851.88

## Silkscreen, mask and mechanical layers (free items; w line width, h text height)
Top Overlay:
  lines w3.94: 2893.7,2106.6 4014,2106.6 4014,2854.26 2893.81,2854.26 2893.7,2854.16 2893.7,0 2874.02,0 0,0 0,2854.33 2872.03,2854.65 2893.7,2854.33 ; 2930,2108 2932,2854
  text "2.SENSOR" at 3352,2846 h20 r180
  text "1.SENSOR" at 2188,2840 h40 r180
  text "WSR.V01" at 3084,2838 h20 r180
  text "WSR.V01" at 2876,2724 h20 r90
  text "BR1" at 1633,1403 h30 r270
  text "Wireless Security Detector" at 598.22,901.92 h50 r45
Bottom Overlay:
  drawing of 4680 lines, arcs and shapes, not listed
Drill Guide:
  lines w8: 2906,1716 2906,2 14,2 12,0 12,2854 2906,2854 4012,2854 4012,2108 2906,2108
  lines w10: 2906,1716 2906,2060 2906,2108
Route Tool Path:
  lines w7.87: 2912,2290 2912,2292 ; 2912,2304 2912,2306 ; 2912,2318 2912,2320 ; 2912,2332 2912,2334 ; 2912,2532 2912,2534 ; 2912,2546 2912,2548 ; 2912,2560 2912,2562 ; 2912,2574 2912,2576 ; 2912,2756 2912,2758 ; 2912,2770 2912,2772 ; 2912,2784 2912,2786 ; 2912,2798 2912,2800 ; 2924,2290 2924,2292 ; 2924,2304 2924,2306 ; 2924,2318 2924,2320 ; 2924,2332 2924,2334 ; 2924,2532 2924,2534 ; 2924,2546 2924,2548 ; 2924,2560 2924,2562 ; 2924,2574 2924,2576 ; 2924,2756 2924,2758 ; 2924,2770 2924,2772 ; 2924,2784 2924,2786 ; 2924,2798 2924,2800 ; 0,0 0,2854.35 4012.49,2854.35 4012.49,2110.78 4008.12,2106.41 2905.58,2106.41 2905.58,2102.43 2905.51,2102.36 2905.51,0 0,0
  lines w19.68: 2918,2110 2918,2272 ; 2918,2352 2918,2514 ; 2918,2594 2918,2738 ; 2918,2818 2918,2854